# Altium PCB 智能车驱动板DRV8701E.PcbDoc
Units mil, origin at the board's own origin, x right, y up, seen from the top; angles counter-clockwise.
Board outline 3395.86 x 1352.35 mil, 2 copper layers (Top Layer, Bottom Layer); 41 components, 38 nets, 217 pads, 228 vias.
Unrouted connection lines stored in the file: 37.
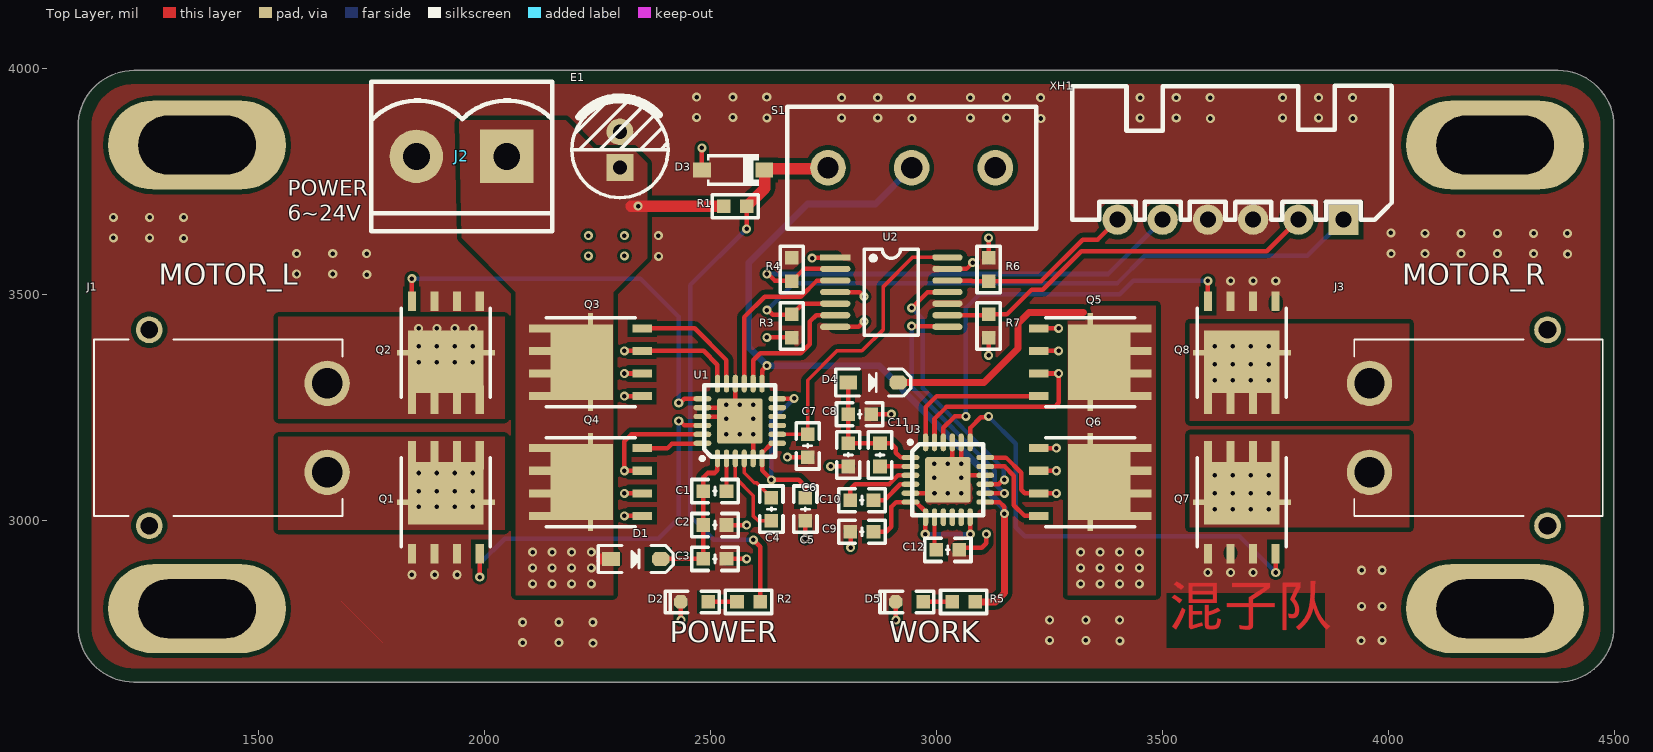
[diagram p0: Top Layer view]
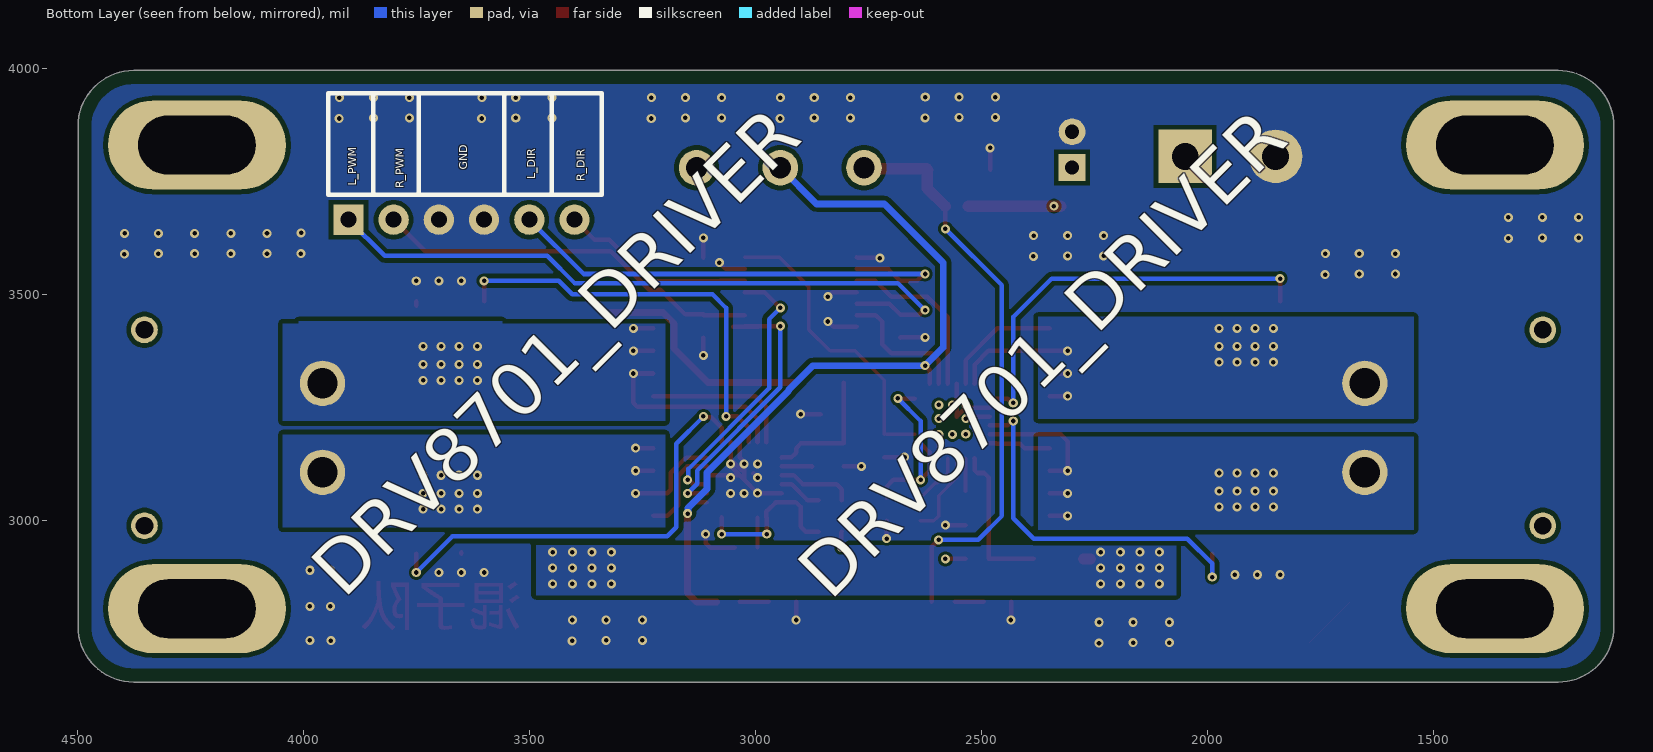
[diagram p1: Bottom Layer view, seen from below]
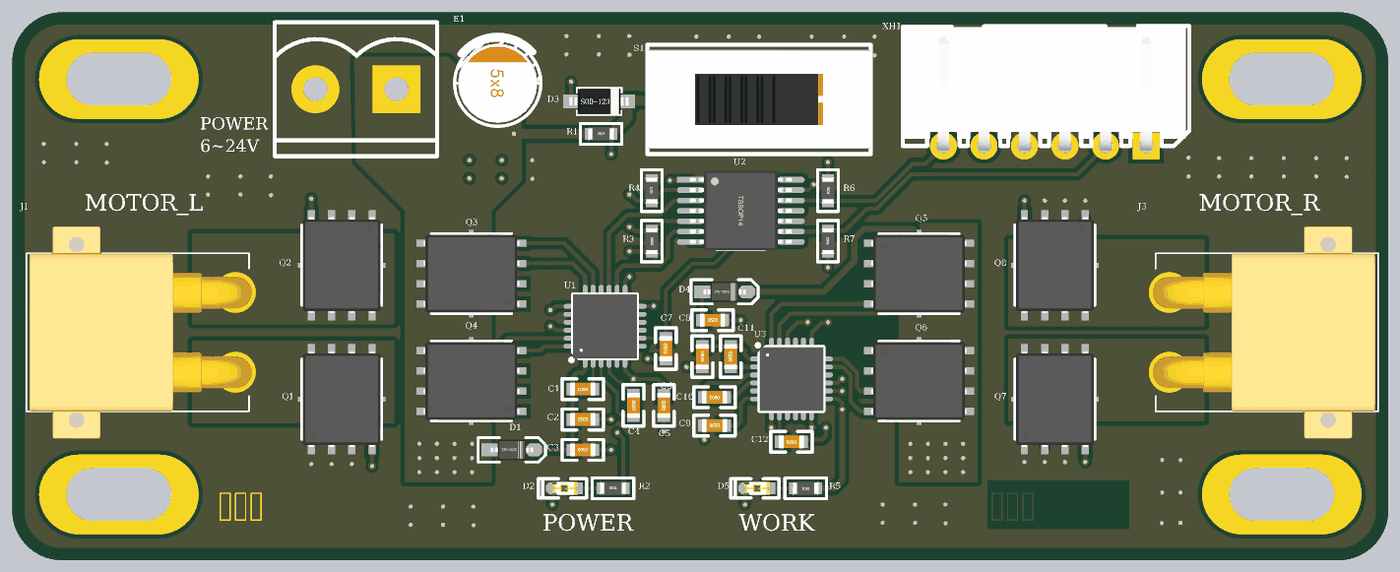
[diagram p2: 3D render of the assembled board from above, using the file's embedded part models]

## Layer stack, top to bottom
Top Solder: solder mask 0.4, Solder Resist, Dk 3.5
Top Layer: signal copper 1.4
Dielectric 1: dielectric 12.6, FR-4, Dk 4.8
Bottom Layer: signal copper 1.4
Bottom Solder: solder mask 0.4, Solder Resist, Dk 3.5

## Board outline
1101.87,2769.53 1101.87,3871.89 cw(c1225,3871.89) 1225,3995.01 4374.61,3995.01 cw(c4374.61,3871.89) 4497.73,3871.89 4497.73,2769.53 4497.73,2765.79 cw(c4374.61,2765.79) 4374.61,2642.66 1225,2642.66 cw(c1225,2765.79)

## Design rules (kind name [scope] priority, off if disabled: settings)
BoardOutlineClearance [All] p1: gap=10 ignorepadtopadclearanceinfootprint=FALSE except(0: Arc-SplitContinuation Track-SplitContinuation SMDPad-SplitContinuation THPad-SplitContinuation Via-SplitContinuation Fill-SplitContinuation Poly-SplitContinuation Region-SplitContinuation Text-SplitContinuation; 30: Poly-OutlineEdge Poly-CavityEdge Poly-CutoutEdge Poly-SplitBarrior)
Clearance [All] p1: gap=6 ignorepadtopadclearanceinfootprint=TRUE except(10: Arc-Fill Arc-Poly Arc-Region Track-Fill Track-Poly Track-Region SMDPad-Fill SMDPad-Poly SMDPad-Region THPad-Fill THPad-Poly THPad-Region Fill-Fill Fill-Poly Fill-Region Poly-Poly Poly-Region Region-Region)
PolygonConnect PolygonConnect_POWER [InNetClass('POWER')] p1: connectstyle=Direct reliefconductorwidth=10 reliefentries=4 polygonreliefangle="90 Angle" airgapwidth=10
PolygonConnect [All] p2: connectstyle=Relief reliefconductorwidth=10 reliefentries=4 polygonreliefangle="90 Angle" airgapwidth=10
RoutingVias [All] p1: holewidth=12 width=22 viastyle="Through Hole" minholewidth=10 minwidth=22 maxholewidth=50 maxwidth=50
SolderMaskExpansion [InPadClass('All Pads')] p1: expansion=4 istentingtop=FALSE
Width GND [All] p1: maxlimit=50 minlimit=3 preferedwidth=8 minimp=50.000000 maximp=50.000000 favimp=50.000000
Width PWN [InNetClass('PWN')] p2: maxlimit=50 minlimit=3 preferedwidth=10 minimp=50.000000 maximp=50.000000 favimp=50.000000
Width [All] p3: maxlimit=10 minlimit=3 preferedwidth=8 minimp=50.000000 maximp=50.000000 favimp=50.000000
30 further rules are at their usual default settings.

## Classes and differential pairs
net class POWER: 3V3 DVDD GND "L  A" "L  B" "R  A" "R  B" VM
component class 智能车驱动板DRV8701E: C1 C3 C5 C6 C7 C9 C11 C12 D1 D4 D5 E1 J1 J3 Q1 Q3 Q4 Q5 Q7 Q8 R1 R3 R4 R7 S1 U1 U2 U3 XH1

## Components (designator, comment, footprint, x,y, rotation, side; value= is the part's Value field where it differs from the comment)
C1 "1uF" C0603_L 2509.99,3065 r180 top (schematic designator C2)
C2 "10uF" C0603_L 2510,2990 r0 top (schematic designator C3)
C3 "100nF" C0603_L 2510,2915 r0 top (schematic designator C4)
C4 "100nF" C0603_L 2635,3025 r270 top (schematic designator C1)
C5 "1uF" C0603_L 2710,3025 r90 top
C6 "1uF" C0603_L 2715,3165 r90 top
C7 "100nF" C0603_L 2830,3235 r0 top (schematic designator C10)
C8 "10uF" C0603_L 2805,3145 r270 top (schematic designator C9)
C9 "1uF" C0603_L 2835,2975 r0 top (schematic designator C11)
C10 "100nF" C0603_L 2835,3045 r180 top (schematic designator C7)
C11 "1uF" C0603_L 2875,3145 r90 top (schematic designator C8)
C12 "1uF" C0603_L 3025,2935 r180 top
D1 "1N5819" SOD-323 2335,2915 r0 top
D2 "LED" LED-0603_R 2465,2820 r180 top (schematic designator D5)
D3 "BZT52C3V3" SOD-123-L 2550,3775 r0 top (schematic designator D4)
D4 "1N5819" SOD-323 2860,3305 r0 top (schematic designator D3)
D5 "LED" LED-0603_R 2940,2820 r180 top (schematic designator D2)
E1 "10uF/25V" CT-2.0*5*8-R 2300,3820 r270 top
J1 "XT30PW-M" XT30-WI 1420,3205 r90 top
J2 "HT-2P" CZ-5.08-L-Z-2P 2050,3805 r180 top (schematic designator J3)
J3 "XT30PW-M" XT30-WI 4190,3205 r270 top (schematic designator J2)
Q1 "TPH1R403NL" DFN5x6 1915,3040.31 r0 top (schematic designator Q4)
Q2 "TPH1R403NL" DFN5x6 1915,3370.83 r180 top (schematic designator Q3)
Q3 "TPH1R403NL" DFN5x6 2235,3350 r90 top (schematic designator Q1)
Q4 "TPH1R403NL" DFN5x6 2235,3085 r90 top (schematic designator Q2)
Q5 "TPH1R403NL" DFN5x6 3340,3350 r270 top (schematic designator Q6)
Q6 "TPH1R403NL" DFN5x6 3340,3085 r270 top (schematic designator Q5)
Q7 "TPH1R403NL" DFN5x6 3675,3040.31 r0 top
Q8 "TPH1R403NL" DFN5x6 3675,3370.83 r180 top
R1 "1K" R0603_L 2555,3695 r0 top (schematic designator R2)
R2 "1K" R0603_L 2584.41,2820 r0 top (schematic designator R3)
R3 "1K" R0603_L 2680,3430 r270 top (schematic designator R6)
R4 "1K" R0603_L 2680,3555 r90 top
R5 "1K" R0603_L 3060,2820 r180 top (schematic designator R1)
R6 "1K" R0603_L 3115,3555 r270 top (schematic designator R5)
R7 "1K" R0603_L 3115,3430 r90 top
S1 "SS-12F23" SS-12D10 2945,3780 r0 top
U1 "DRV8701E" QFN24-4x4 2565,3220 r90 top
U2 "SN74HC125PWR" TSSOP14 2900,3505 r0 top
U3 "DRV8701E" QFN24-4x4 3025,3090 r0 top
XH1 "XH2.54-6P" XH2.54-6P-WI 3650,3665 r180 top

## Footprints (in the part's own frame and the unit in brackets; to place one, negate y for a bottom-side part, rotate by r counter-clockwise, add the part's x,y. Pads: shape width x height; smd on the part's side, far side on the other; paste and mask are expansions set on the pad)
C0603_L [mil] "无极性贴片电容"
  rect 30x30 smd: 1(-25.59,0) 2(25.59,0)
  silkscreen extent -51,-26 51,26, body extent -31,-16 32,16, height 33
CT-2.0*5*8-R [mm] "脚距2mm , 直径5mm , 高8mm"
  rect 1.5x1.5 hole 0.8: 1(1,0)
  round 1.5 hole 0.8: 2(-1,0)
  silkscreen extent -2.96,-2.7 2.7,2.7, body extent -2.5,-2.49 2.5,2.49, height 8.06
CZ-5.08-L-Z-2P [mm]
  rect 3x3 hole 1.5: 1(0,0)
  round 3 hole 1.5: 2(5.08,0)
  silkscreen extent -2.54,-4.2 7.62,4.2, body extent -2.58,-4.25 7.58,4.15, height 10.27
DFN5x6 [mm]
  rect 0.45x1.6 smd: 1(-1.905,2.65) 1(-0.635,2.65) 1(0.635,2.65) 1(1.905,2.65)
  rect 5.5x0.3 smd: 1(0,0)
  rect 4.25x3.5 smd: 1(0,0.5)
  rect 0.45x1.1 smd: 2(1.905,-2.9) 3(-1.905,-2.9) 3(-0.635,-2.9) 3(0.635,-2.9)
  silkscreen extent -2.5,-2.5 2.5,2.5, body extent -2.45,-3 2.45,3, height 1
LED-0603_R [mil] "红色0603LED"
  rect 30x30 smd: 1(-30.59,0)
  oct 30x30 smd: 2(30.59,0)
  silkscreen extent -54,-24 65,24, body extent -32,-16 31,16, height 24
QFN24-4x4 [mm]
  rrect10% 2.55x2.55 smd: 0(0,0)
  oval 1x0.3 smd: 1(-2.1,1.25) 2(-2.1,0.75) 3(-2.1,0.25) 4(-2.1,-0.25) 5(-2.1,-0.75) 6(-2.1,-1.25) 13(2.1,-1.25) 14(2.1,-0.75) 15(2.1,-0.25) 16(2.1,0.25) 17(2.1,0.75) 18(2.1,1.25)
  oval 0.3x1 smd: 7(-1.25,-2.1) 8(-0.75,-2.1) 9(-0.25,-2.1) 10(0.25,-2.1) 11(0.75,-2.1) 12(1.25,-2.1) 19(1.25,2.1) 20(0.75,2.1) 21(0.25,2.1) 22(-0.25,2.1) 23(-0.75,2.1) 24(-1.25,2.1)
  silkscreen extent -2.21,-2 2,2.21, body extent -2,-2 2,2, height 0.9
R0603_L [mil] "1/10W贴片电阻"
  rect 30x30 smd: 1(-25.59,0) 2(25.59,0)
  silkscreen extent -51,-26 51,26, body extent -31,-16 32,16, height 16
SOD-123-L [mm]
  rect 1x0.85 smd: A(-1.75,0) K(1.75,0)
  silkscreen extent -1.45,-0.9 1.47,0.9, body extent -1.85,-0.8 1.85,0.8, height 1.2
SOD-323 [mm]
  rect 1x0.8 smd: 1(-1.4,0)
  oct 1x0.8 smd: 2(1.4,0)
  silkscreen extent -2.11,-0.76 2.11,0.76, body extent -1.32,-0.65 1.32,0.65, height 0.95
SS-12D10 [mm] "脚距3mm"
  round 2 hole 1.2: 1(-4.7,0) 2(0,0) 3(4.7,0)
  silkscreen extent -7,-3.43 7,3.43, body extent -7,-3.1 7,3.1, height 9.65
TSSOP14 [mm]
  rect 1.7x0.35 smd: 1(-3.15,1.95)
  oval 1.7x0.35 smd: 2(-3.15,1.3) 3(-3.15,0.65) 4(-3.15,0) 5(-3.15,-0.65) 6(-3.15,-1.3) 7(-3.15,-1.95) 8(3.15,-1.95) 9(3.15,-1.3) 10(3.15,-0.65) 11(3.15,0) 12(3.15,0.65) 13(3.15,1.3) 14(3.15,1.95)
  silkscreen extent -1.52,-2.41 1.52,2.41, body extent -3.2,-2.49 3.2,2.51, height 1.03
XH2.54-6P-WI [mm] "接插件，6P"
  rect 1.7x1.7 hole 0.9: 1(-6.35,0)
  round 1.7 hole 0.9: 2(-3.81,0) 3(-1.27,0) 4(1.27,0) 5(3.81,0) 6(6.35,0)
  silkscreen extent -9.07,-7.53 8.89,0, body extent -8.85,-7.45 8.85,0.25, height 2.89
XT30-WI [mm]
  round 2.55 hole 1.7: 1(-2.5,-5.912) 2(2.5,-5.912)
  round 1.5 hole 1: 3(5.5,4.088) 4(-5.5,4.088)
  silkscreen extent -4.95,-6.76 4.95,7.19, body extent -6.65,-6.95 6.65,7, height 1.5

## Part data
C1 C2 C3 C4 C5 C6 C7 C8 C9 C10 C11 C12: library part C-SMD, "贴片电容", BOM名称=无极性贴片电容
D1 D4: "肖特基二极管", BOM名称=肖特基二极管
D2 D5: library part LED_SMD, "贴片发光二极管"
D3: library part "Diode Zen", "3.3V稳压二极管", Price(RMB)=0.000, Published=8-Jun-2000, Publisher="Altium Limited", Revision="July-2002: Re-released for DXP Platform."
E1: library part C-CS, "直插固态电容", BOM名称=直插固态电容
J1 J3: "30A Low Temperature Rise Fire Retardant Plug", Manufacturer_Name=Amass, Datasheet Link=https://www.tme.eu/sl/Document/ce4077e36b79046da520ca73227e15de/XT30PW%20SPEC.pdf, Geometry.Height=5mm, Manufacturer_Part_Number=XT30PW-M
J2: library part XT30PW-M, "30A Low Temperature Rise Fire Retardant Plug", Manufacturer_Name=Amass, Datasheet Link=https://www.tme.eu/sl/Document/ce4077e36b79046da520ca73227e15de/XT30PW%20SPEC.pdf, Geometry.Height=5mm, Manufacturer_Part_Number=XT30PW-M
Q1 Q2 Q3 Q4 Q5 Q6 Q7 Q8: "N沟道MOS"
R1 R2 R3 R4 R5 R6 R7: library part R-SMD, "贴片电阻", BOM名称=贴片电阻
S1: library part SSW-1P, "1路波动开关", BOM名称=波动开关
U1 U3: "DRV8701E Ti全桥驱动芯片"
U2: "三态输出的四路缓冲器"

## Free pads (board coordinates)
  rrect100% 393.7x196.85 hole 129.92 slot 259.84 at 0 deg unplated: 3(1365,2805) 3(1365,3830) 3(4235,2805) 3(4235,3830)

## Via types
v1: diameter 20, hole 10, Top Layer to Bottom Layer, tented both sides, 228 vias

## Nets (pads, with @x,y where several pads share a name; then routed paths per layer and width w, separated by ;. In a path a pad name is that pad's centre, name@x,y a point inside that pad or via, vN(x,y) a via of type N, cw(c..) or ccw(c..) an arc to the next point about the centre after c; other vN are vias at no path point)
3V3: D3.K R1.2 R2.2 S1.1 | length 1282.3
  Top Layer w10: v1(2580,3645) 2580.59,3645.59 R1.2 ; v1(2595,2957.29) 2610,2942.29 R2.2
  Top Layer w25: R1.2 2620,3734.41 2620,3773.9 D3.K 2621.4,3777.5 2757.46,3777.5 S1.1
  Bottom Layer w10: v1(2580,3645) 2455,3520 2455,3010 2507.71,2957.29 v1(2595,2957.29)
DVDD: C6.2 U1.8 U2.14 | length 658.9
  Top Layer w8: U1.8 C6.2@2709.89,3190.47 ; C6.2 2715,3310 2780,3375 2835,3375 2882.5,3422.5 2882.5,3517.5 2946.77,3581.77 U2.14
GND: C2.2 C3.2 C5.1 C6.1 C7.2 C8.2 C9.1 C12.1 D2.2 D3.A D5.2 E1.2 J2.2 Q1.3 Q2.3 Q7.3 Q8.3 R3.2 R4.2 R6.1 R7.1 U1.0 U1.5 U1.16 U1.20 U1.21 U2.1 U2.4 U2.7 U2.10 U2.13 U3.0 U3.5 U3.16 U3.20 U3.21 XH1.3 XH1.4 | length 1561.9
  Top Layer w10: D2.2 2434.71,2819.71 2434.71,2780.29 v1(2435,2780) ; D3.A v1(2481.1,3823.9) ; U1.21 2529.84,3229.84 U1.0@2530,3230 ; U1.20 2535.47,3249.53 2555.16,3229.84 U1.16 ; C3.2 v1(2580,2915) ; C2.2 v1(2580,2990) ; U1.5 U1.0@2594.53,3190.47 ; v1(2625,3405) 2679.41,3405 R3.2 ; v1(2670,3140) 2714.41,3140 C6.1 ; v1(2710,2960) C5.1 ; v1(2725,3580) 2725.89,3580.89 2775.1,3580.89 U2.1 ; v1@2765,3120 v1(2765.59,3119.41) C8.2 ; U2.7 2828.23,3428.23 v1(2840,3440) ; U2.4 2830,3505 v1(2840,3495) ; C9.1 2810,2974.4 v1(2810,2940) ; C7.2 v1(2900,3235) ; D5.2 2909.71,2819.71 2909.71,2780.29 v1(2910,2780) ; U3.5 v1(2995.47,3060.47) U3.0 ; v1(2995,3095) U3.0@3004.84,3104.84 ; U2.13 3066.18,3556.18 v1(3080,3570) ; U3.21 3034.84,3140.04 3025,3130.2 v1(3025,3125) U3.0@3025,3110.67 ; C12.1@3046.18,2940 3100,2940 3110,2950 v1(3110,2970) ; U3.20 3054.53,3135.2 3030,3110.67 U3.0@3025,3110.67 ; v1(3055,3125) 3055,3120 U3.0@3034.84,3099.84 ; U3.16 U3.0@3034.84,3099.84 ; v1(3115,3365) R7.1 ; R6.1 v1(3115,3625) ; Q7.3@3650,2926.14 Q7.3@3650,2930 ; Q8.3@3750,3475 Q8.3@3750,3485 ; U3.0 U3.0@3025,3110.67 ; U3.0 U3.0@3034.84,3099.84
  other v1: 2240.41,2728.84 2085,2730 2165,2730 3405.41,2733.84 3250,2735 3330,2735 3938.84,2734.59 3985,2735 2085,2775 2165,2775 2240,2775 3250,2780 3330,2780 3405,2780 3940,2810 3985,2810 1840,2880 1890,2880 1940,2880 3600,2885 3650,2885 3700,2885 3940,2890 3985,2890 3025,3060 3055,3060 3055,3095 2995,3125 3650,3530 3700,3530 3750,3530 1740.41,3543.84 1585,3545 1665,3545 2385.41,3583.84 2230,3585 2310,3585 4395.41,3588.84 1585,3590 1665,3590 1740,3590 4005,3590 4080,3590 4160,3590 4240,3590 4320,3590 1335.41,3623.84 1180,3625 1260,3625 2230,3630 2310,3630 2385,3630 4080,3635 4160,3635 4240,3635 4320,3635 4395,3635 4004.59,3636.16 1180,3670 1260,3670 1335,3670 2945.41,3888.84 3230.41,3888.84 3605.41,3888.84 3920.41,3888.84 2625,3890 2790,3890 2870,3890 3075,3890 3155,3890 3450,3890 3530,3890 3765,3890 3845,3890 2469.59,3891.16 2549.59,3891.16 2790,3935 2870,3935 2945,3935 3075,3935 3155,3935 3230,3935 3450,3935 3530,3935 3605,3935 3765,3935 3845,3935 3920,3935 2469.59,3936.16 2549.59,3936.16 2624.59,3936.16
"L  A": J1.1 Q1.1 Q4.3 U1.23 | length 361.3
  Top Layer w10: v1(2310,3010) Q4.3@2349.17,3010 ; v1(2310,3060) Q4.3@2349.17,3060 ; Q4.3@2349.17,3110 v1(2310,3110) 2310,3175 2325.47,3190.47 U1.23
  other v1: 1855,3030 1895,3030 1935,3030 1975,3030 1855,3065 1895,3065 1935,3065 1975,3065 1855,3105 1895,3105 1935,3105 1975,3105
"L  B": J1.2 Q2.1 Q3.3 U1.18 | length 338.4
  Top Layer w10: v1(2310,3275) Q3.3@2349.17,3275 ; v1(2310,3325) Q3.3@2349.17,3325 ; v1(2310,3375) 2349.17,3375 2485,3375 2515.44,3344.56 2515.44,3303.02 U1.18
  other v1: 1855,3350 1895,3350 1935,3350 1975,3350 1855,3385 1895,3385 1935,3385 1975,3385 1855,3425 1895,3425 1935,3425 1975,3425
L_EN: U1.14 U2.6 | length 303.7
  Top Layer w10: U1.14 2594.53,3354.53 2610,3370 2700,3370 2720,3390 2720,3440 2733.82,3453.82 U2.6
L_EN_IN: R3.1 U2.5 XH1.1 | length 1523.1
  Top Layer w10: v1(2625,3465) 2627.71,3465 2637.7,3455.01 2679.41,3455.01 2703.81,3479.41 U2.5
  Bottom Layer w10: v1(2625,3465) 2685,3525 3400,3525 3460,3585 3820,3585 XH1.1
L_PH: U1.15 U2.3 | length 381.8
  Top Layer w10: U1.15 2574.84,3449.84 2620,3495 2700,3495 2735.59,3530.59 U2.3
L_PH_IN: R4.1 U2.2 XH1.5 | length 1093.2
  Top Layer w10: v1(2625,3545) 2627.71,3545 2642.71,3530 2679.41,3530 R4.1 2706.78,3556.18 U2.2
  Bottom Layer w10: v1(2625,3545) 3380,3545 XH1.5
NetC1_1: C4.1 U1.4 | length 114.6
  Top Layer w8: U1.4 2574.84,3105.64 2596.86,3083.62 2601.97,3083.62 C4.1
NetC1_2: C4.2 U1.3 | length 188.2
  Top Layer w8: U1.3 2555.16,3094.84 2595,3055 2595,3010 2605.59,2999.41 C4.2
NetC2_1: C1.1 U1.2 | length 72.4
  Top Layer w8: U1.2 2535.47,3065.12 C1.1
NetC2_2: C1.2 C2.1 C3.1 U1.1 | length 343.7
  Top Layer w10: 2385,2915 C3.1 C2.1 2484.41,3095.11 2494.3,3105 2509.58,3105 2515.44,3110.86 2515.44,3136.98 U1.1
NetC5_2: C5.2 U1.6 U1.7 U1.12 | length 455.9
  Top Layer w10: U1.7 2634.39,3170.79 2633.55,3169.95 2633.55,3168.55 2616.45,3151.45 2615.05,3151.45 2614.21,3150.61 2614.21,3110.79 v1(2635,3090) 2695,3090 2710,3075 C5.2 ; U1.12 2684.21,3269.21 v1(2685,3270)
  Bottom Layer w10: v1(2635,3090) 2635,3220 v1(2685,3270)
NetC7_1: C10.1 U3.4 | length 96.3
  Top Layer w10: C10.1 2885,3045 2919.81,3079.81 2941.98,3079.81 U3.4
NetC7_2: C10.2 U3.3 | length 169.9
  Top Layer w10: C10.2 2809.41,3069.41 2820,3080 2895,3080 2914.84,3099.84 U3.3
NetC8_1: C11.1 U3.2 | length 67.4
  Top Layer w10: C11.1 2875.12,3119.53 U3.2
NetC8_2: C7.1 C8.1 C11.2 U3.1 | length 291.1
  Top Layer w10: 2805,3305 2804.41,3304.41 C7.1 2805,3234.41 C8.1 C11.2 2899.41,3170.59 2910,3160 2910,3150 2920.44,3139.56 2941.98,3139.56 U3.1
NetC11_2: C9.2 U3.6 U3.7 U3.12 | length 366.1
  Top Layer w10: C9.2 2889.14,2975 2900,2985.85 2900,3030 2910.79,3040.79 2955.61,3040.79 2956.45,3039.95 2956.45,3038.55 2973.55,3021.45 2974.95,3021.45 2975.79,3020.61 U3.7 2975.44,3006.98 2975.44,2970.44 v1(2975,2970) ; U3.12 3074.21,2970.79 v1(3075,2970)
  Bottom Layer w10: v1(2975,2970) v1(3075,2970)
NetC12_2: C12.2 U3.8 | length 67.5
  Top Layer w8: C12.2@2995,2940 2995.47,2940.47 U3.8
NetD2_1: D5.1 R5.2 | length 63.8
  Top Layer w10: D5.1 R5.2
NetD5_1: D2.1 R2.1 | length 63.2
  Top Layer w10: D2.1 R2.1
NetQ1_2: Q3.2 U1.17 | length 267.3
  Top Layer w10: Q3.2 2465,3425 2535.47,3354.53 U1.17
NetQ2_2: Q4.2 U1.24 | length 137.6
  Top Layer w10: Q4.2 2405,3160 2414.95,3169.95 2467.22,3169.95 2468.05,3170.79 U1.24
NetQ3_2: Q2.2 U1.19 | length 921.3
  Top Layer w10: Q2.2 v1(1840,3535) ; v1(2430,3260) 2432.71,3260 2441.92,3269.21 U1.19
  Bottom Layer w10: v1(1840,3535) 2345,3535 2430,3450 v1(2430,3260)
NetQ4_2: Q1.2 U1.22 | length 834
  Top Layer w10: v1(1990,2875) Q1.2 ; v1(2430,3220) 2432.71,3220 2442.55,3210.16 U1.22
  Bottom Layer w10: v1(1990,2875) 1990,2905 2045,2960 2385,2960 2430,3005 v1(2430,3220)
NetQ5_2: Q6.2 U3.17 | length 201.6
  Top Layer w10: U3.17 3150.47,3119.53 3171,3099 3171,3034 3195,3010 Q6.2
NetQ6_2: Q5.2 U3.24 | length 338.2
  Top Layer w10: U3.24 2975.79,3250.79 3000,3275 Q5.2
NetQ7_2: Q7.2 U3.19 | length 1010.4
  Top Layer w10: U3.19 3074.56,3173.02 3074.56,3204.56 3098.09,3228.09 3113.09,3228.09 v1(3115,3230) ; v1(3750,2885) Q7.2
  Bottom Layer w10: v1(3115,3230) 3175,3170 3175,2985 3195,2965 3670,2965 v1(3750,2885)
NetQ8_2: Q8.2 U3.22 | length 937.5
  Top Layer w10: U3.22 3015.16,3205.16 3040,3230 v1(3065,3230) ; Q8.2 v1(3600,3530)
  Bottom Layer w10: v1(3065,3230) 3065,3470 3095,3500 3405,3500 3435,3530 v1(3600,3530)
nSLEEP: R5.1 S1.2 U1.13 U3.13 | length 1734.7
  Top Layer w10: U1.13 2614.56,3303.02 2614.56,3331.85 v1(2625,3342.29) ; U3.13 3139.21,3040.79 3149.82,3030.18 3149.82,3015.18 v1(3150,3015)
  Top Layer w15: R5.1 3130,2820 3150,2840 v1(3150,3015)
  Bottom Layer w15: S1.2 2865,3700 2715,3700 2585,3570 2585,3382.29 v1(2625,3342.29) 2872.71,3342.29 2926.5,3288.5 2926.5,3286.73 3106.89,3106.35 3106.89,3069.88 3149.04,3027.72 3149.04,3015.96 v1(3150,3015)
"R  A": J3.1 Q5.3 Q8.1 U3.23 | length 538.6
  Top Layer w10: U3.23 2995.47,3224.61 3021.86,3251 3261,3251 3270,3260 v1(3270,3325) Q5.3@3225.83,3325 ; Q5.3@3225.83,3375 v1(3270,3375) ; Q5.3@3225.83,3425 v1(3270,3425)
  other v1: 3615,3310 3655,3310 3695,3310 3735,3310 3615,3345 3655,3345 3695,3345 3735,3345 3615,3385 3655,3385 3695,3385 3735,3385
"R  B": J3.2 Q6.3 Q7.1 U3.18 | length 289
  Top Layer w10: U3.18@3109.21,3139.21 3153.41,3139.21 3187,3105.63 3187,3068 3195,3060 3225.83,3060 v1(3265,3060) ; Q6.3@3225.83,3110 v1(3265,3110) ; Q6.3@3225.83,3160 v1(3265,3160)
  other v1: 3615,3025 3655,3025 3695,3025 3735,3025 3615,3060 3655,3060 3695,3060 3735,3060 3615,3100 3655,3100 3695,3100 3735,3100
R_EN: U2.8 U3.14 | length 602.7
  Top Layer w10: v1(2945,3430) 2993,3430 2994.05,3428.95 3023.29,3428.95 U2.8 U2.8@3049.57,3428.23 ; U3.14 3107.91,3060.24 3149.76,3060.24 v1(3150,3060)
  Bottom Layer w10: v1(2945,3430) 2945,3294.4 3129,3110.4 3129,3081.3 3150,3060.3 v1(3150,3060)
R_EN_IN: R7.2 U2.9 XH1.2 | length 862.7
  Top Layer w10: U2.9 R7.2@3115,3453.82 ; R7.2 3155.59,3455.59 3210,3510 3235,3510 3320,3595 3730,3595 XH1.2
R_PH: U2.11 U3.15 | length 604.8
  Top Layer w10: v1(2945,3470) 2980,3505 U2.11 ; U3.15 3137.45,3080.16 3147.29,3090 v1(3150,3090)
  Bottom Layer w10: v1(2945,3470) 2970,3445 2970,3292.02 3148.09,3113.94 3148.09,3091.91 v1(3150,3090)
R_PH_IN: R6.2 U2.12 XH1.6 | length 432.6
  Top Layer w10: U2.12 3078.08,3530.59 3079.26,3529.41 R6.2 3231.79,3529.41 3323.37,3621 3356,3621 XH1.6
VM: E1.1 J2.1 Q3.1 Q4.1 Q5.1 Q6.1 R1.1 | length 204.4
  Top Layer w25: 2325,3695 R1.1
  other v1: 2106.67,2860 2150,2860 2193.33,2860 2236.67,2860 3318.33,2860 3361.67,2860 3405,2860 3448.33,2860 2106.67,2895 2150,2895 2193.33,2895 2236.67,2895 3318.33,2895 3361.67,2895 3405,2895 3448.33,2895 2106.67,2930 2150,2930 2193.33,2930 2236.67,2930 3318.33,2930 3361.67,2930 3405,2930 3448.33,2930 2340,3695
pads on no net: D1.1 D1.2 D4.1 D4.2 J1.3 J1.4 J3.3 J3.4 S1.3 U1.9 U1.10 U1.11 U3.9 U3.10 U3.11
copper on no net: | length 521.7
  Top Layer w15: 2915.12,3305 3105,3305 3180,3380 3180,3435.85 3204.15,3460 3325,3460
  Top Layer w25: 2259.88,2915 2274.76,2915
  other v1: 2564.53,3190.47 2594.53,3190.47 2535,3190.94 2534.53,3225.47 2594.53,3225.47 2534.53,3255.47 2564.53,3255.47 2594.53,3255.47

## Polygon pours and split planes (outlines as drawn)
GND on Top Layer "OVER" (solid, remove dead copper, pour order 17): 1101.87,2769.53 1101.87,3871.89 cw(c1225,3871.89) 1225,3995.01 4374.61,3995.01 cw(c4374.61,3871.89) 4497.73,3871.89 4497.73,2769.53 4497.73,2765.79 cw(c4374.61,2765.79) 4374.61,2642.66 1225,2642.66 cw(c1225,2765.79)
VM on Top Layer "Top Layer-VM" (solid, pour order 16): 1950.31,3624.69 2069.9,3505.1 2069.9,2835 2284.9,2835 2284.9,3504.9 2359.9,3579.9 2359.9,3790.1 2330,3820 2245,3820 2180,3885 1945.1,3885
"R  A" on Top Layer "R__A_L01_P013" (solid, pour order 13): 3560,3435 3560,3220 4045,3220 4045,3435
"R  B" on Top Layer "R__B_L01_P011" (solid, pour order 11): 3560,3190 3560,2985 4045,2985 4045,3190
"L  A" on Top Layer "L__A_L01_P006" (solid, pour order 6): 1545,3185 1545,2980 2045,2980 2045,3185
"L  B" on Top Layer "L__B_L01_P005" (solid, pour order 5): 1545,3450 1545,3225 2045,3225 2045,3450
VM on Top Layer "VM_L01_P003" (solid, pour order 3): 3290,3475 3290,2835 3485,2835 3485,3475
GND on Bottom Layer "OVER" (solid, remove dead copper, pour order 19): 1101.87,2769.53 1101.87,3871.89 cw(c1225,3871.89) 1225,3995.01 4374.61,3995.01 cw(c4374.61,3871.89) 4497.73,3871.89 4497.73,2769.53 4497.73,2765.79 cw(c4374.61,2765.79) 4374.61,2642.66 1225,2642.66 cw(c1225,2765.79)
"R  A" on Bottom Layer "R__A_L02_P012" (solid, pour order 12): 3200,3435 3200,3220 4045,3220 4045,3435
"R  B" on Bottom Layer "R__B_L02_P010" (solid, pour order 10): 3200,3190 3200,2985 4045,2985 4045,3190
"R  A" on Bottom Layer "R__A_L02_P009" (solid, pour order 9): 3560,3440 3560,3220 4010,3220 4010,3440
"L  B" on Bottom Layer "L__B_L02_P008" (solid, pour order 8): 1545,3450 1545,3225 2375,3225 2375,3450
"L  A" on Bottom Layer "L__A_L02_P007" (solid, pour order 7): 1545,3185 1545,2980 2375,2980 2375,3185
VM on Bottom Layer "VM_L02_P004" (solid, pour order 4): 2070,2945 2070,2835 3485,2835 3485,2945

## Other copper
Top Layer:
  region: 1685,2820 1775,2730
  text "混子队" at 3515,2739.79 h150

## Silkscreen, mask and mechanical layers (free items; w line width, h text height)
Top Overlay:
  text "POWER" at 1565.06,3705.53 h60
  text "6~24V" at 1565.06,3650.53 h60
  text "MOTOR_L" at 1280.08,3505.46 h80
  text "MOTOR_R" at 4030.08,3505.46 h80
  text "POWER" at 2410.08,2715.7 h80
  text "WORK" at 2895,2715.7 h80
Bottom Overlay:
  lines w10: 3450,3720 3450,3945 ; 3555,3720 3555,3945 ; 3745,3720 3745,3945 ; 3845,3720 3845,3945 ; 3340,3720 3945,3720 3945,3945 3340,3945 3340,3720
  text "GND" at 3630.26,3775.03 h30 r270
  text "L_DIR" at 3480.78,3755.03 h30 r270
  text "R_DIR" at 3370.78,3750.03 h30 r270
  text "L_PWM" at 3875.78,3740.03 h30 r270
  text "R_PWM" at 3770.78,3735.03 h30 r270
  text "DRV8701_DRIVER" at 3882.21,2797.48 h200 r315
  text "DRV8701_DRIVER" at 2807.21,2792.48 h200 r315
Top Solder:
  text "混子队" at 1610,2739.79 h150
Mechanical 1:
  lines w10: 1106.89,2765.79 ccw(c1225,2765.79) 1225,2647.68 4374.61,2647.68 ccw(c4374.61,2765.79) 4492.72,2765.79 ; 1106.89,2769.53 1106.89,3871.89 cw(c1225,3871.89) 1225,3990 4374.61,3990 cw(c4374.61,3871.89) 4492.72,3871.89 4492.72,2769.53